# Altium PCB 键盘.PcbDoc (part 8 of 10)
Units mm, origin at the board's own origin, x right, y up, seen from the top; angles counter-clockwise.
Board outline 100 x 100 mm, 2 copper layers (Top Layer, Bottom Layer); 85 components, 82 nets, 333 pads, 92 vias.
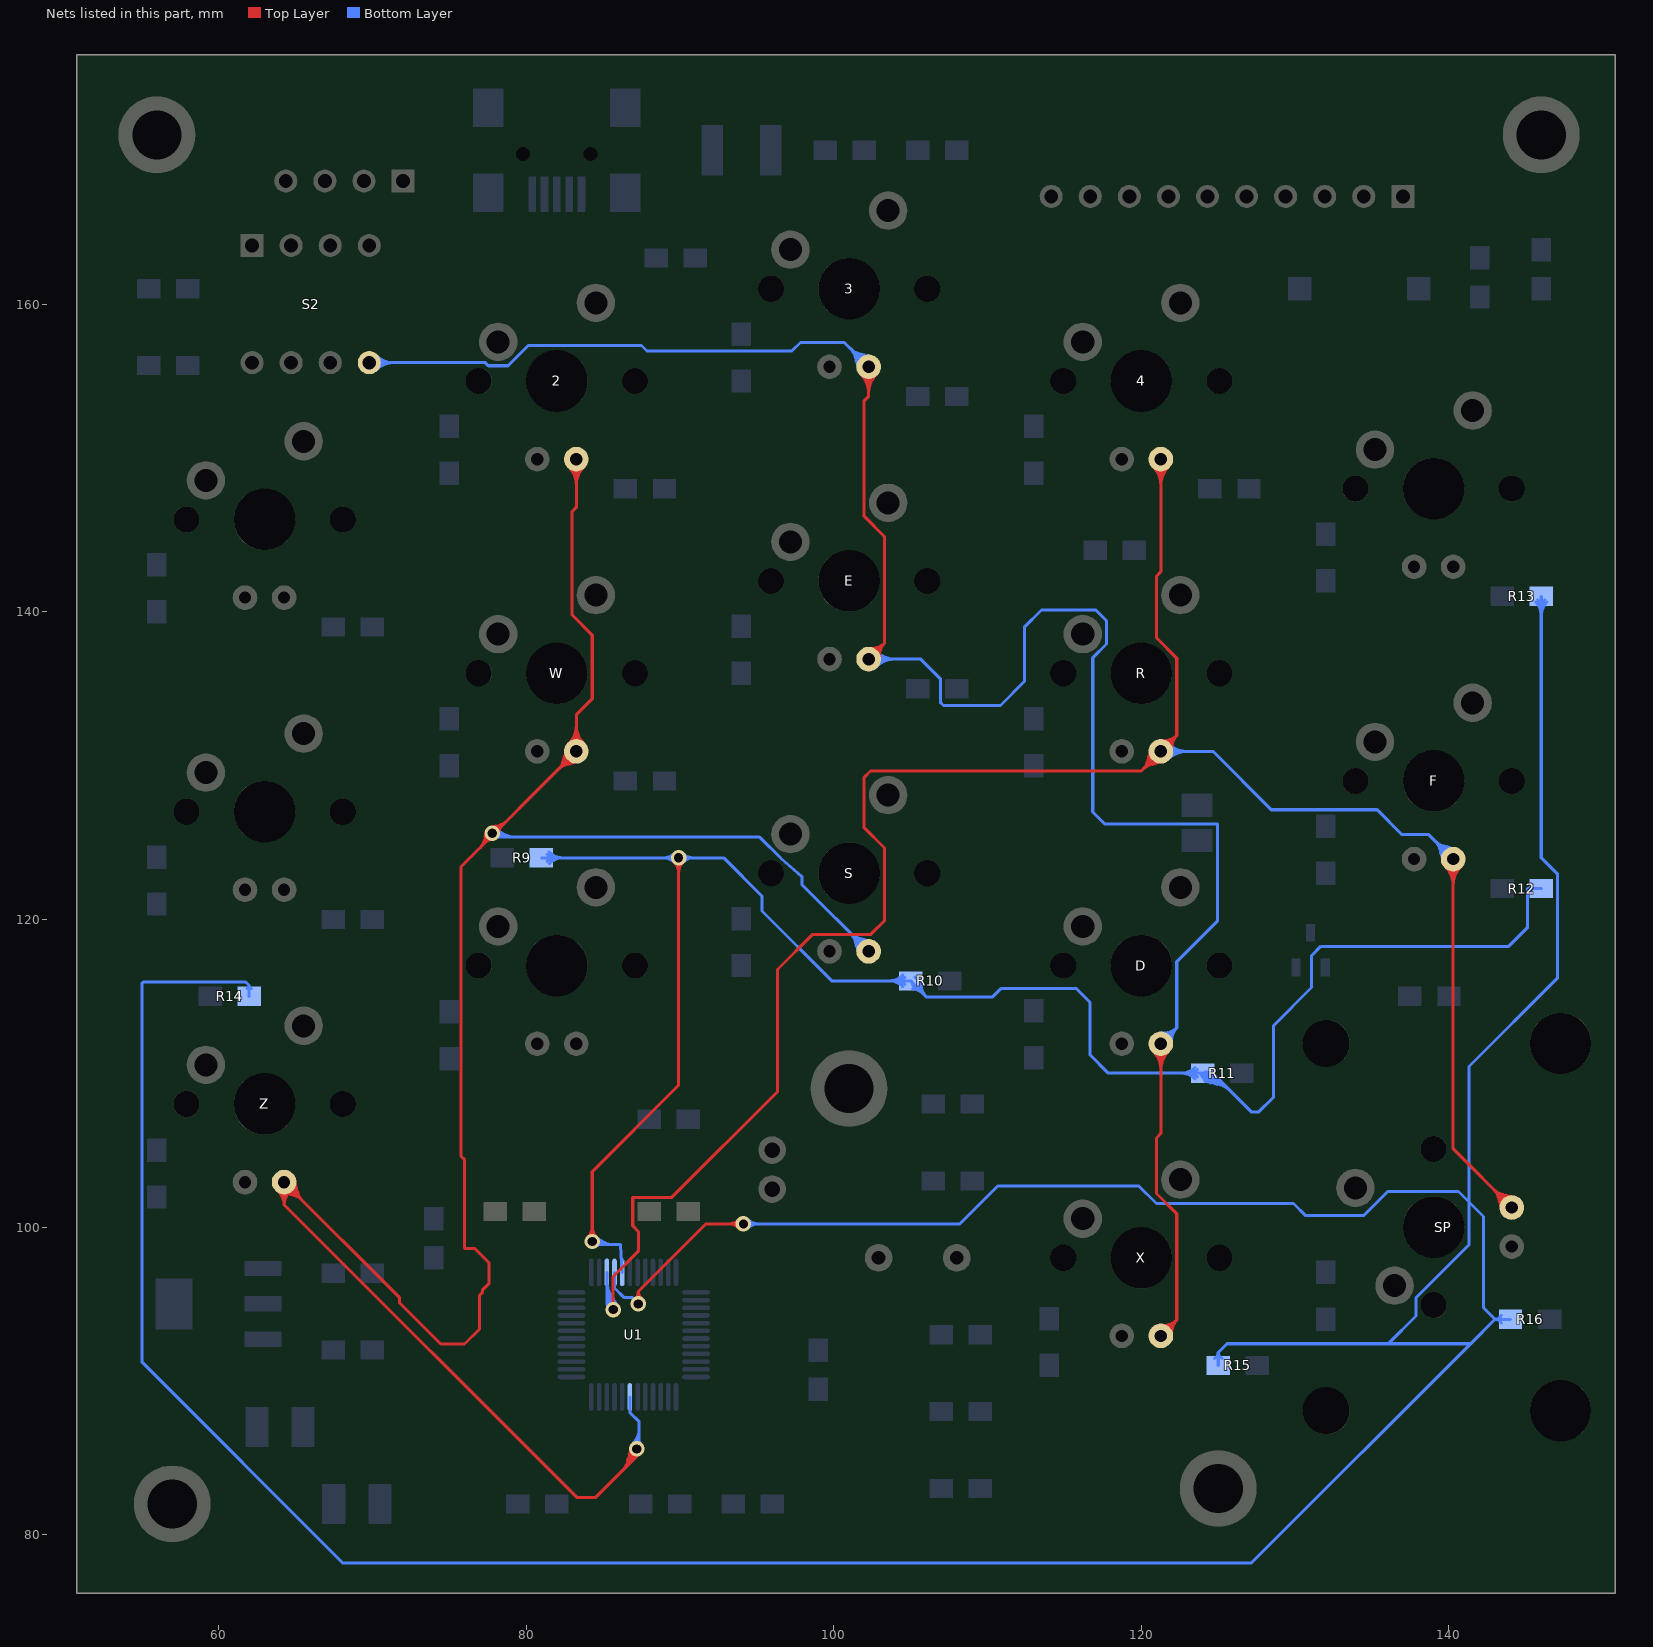
[diagram p8: the nets of this part, all layers, seen from the top]

## Via types
v1: diameter 1, hole 0.6, Top Layer to Bottom Layer, 92 vias

## Nets (pads, with @x,y where several pads share a name; then routed paths per layer and width w, separated by ;. In a path a pad name is that pad's centre, name@x,y a point inside that pad or via, vN(x,y) a via of type N, cw(c..) or ccw(c..) an arc to the next point about the centre after c; other vN are vias at no path point) (continued)
PB1: 2.K S.K U1.19 W.K Z.K | length 344.7
  Top Layer w0.2: 2.K@83.27,149.92 83.27,146.787 82.982,146.498 82.982,139.802 84.303,138.481 84.303,134.332 83.27,133.299 W.K@83.27,130.92 75.768,123.418 75.768,104.609 76.009,104.368 76.009,98.629 76.038,98.6 76.663,98.6 77.6,97.663 77.6,96.337 77.176,95.913 77.176,95.762 76.968,95.554 76.968,93.364 76.004,92.4 74.459,92.4 71.761,95.098 71.761,95.429 Z.K@64.27,102.92 64.27,101.44 ; v1@86.814,85.461 cw(c86.468,85.36) 86.721,85.103 cw(c86.974,84.846) v1@87.08,85.19 ; 86.931,85.109 cw(c87.123,84.871) v1@87.156,85.175 ; Z.K@63.826,102.379 cw(c63.055,101.44) 64.27,101.44 ; Z.K@63.826,102.379 cw(c63.055,101.44) 64.27,101.44 ; Z.K@63.826,102.379 cw(c63.055,101.44) 64.27,101.44 ; Z.K@63.953,102.534 cw(c63.402,101.863) 64.27,101.863 ; Z.K@63.953,102.534 cw(c63.402,101.863) 64.27,101.863 ; Z.K@63.953,102.534 cw(c63.402,101.863) 64.27,101.863 ; Z.K@63.976,102.86 ccw(c64.937,103.057) 64.683,102.109 ; Z.K@63.976,102.86 ccw(c64.937,103.057) 64.683,102.109 ; Z.K@63.976,102.86 ccw(c64.937,103.057) 64.683,102.109 ; Z.K@64.172,102.9 ccw(c65.291,103.129) 64.996,102.026 ; Z.K@64.172,102.9 ccw(c65.291,103.129) 64.996,102.026 ; Z.K@64.172,102.9 ccw(c65.291,103.129) 64.996,102.026 ; Z.K@64.267,102.82 cw(c64.245,102.102) 64.939,102.288 ; Z.K@64.267,102.82 cw(c64.245,102.102) 64.939,102.288 ; Z.K@64.267,102.82 cw(c64.245,102.102) 64.939,102.288 ; 64.27,101.44 cw(c65.485,101.44) Z.K@64.714,102.379 ; 64.27,101.44 cw(c65.485,101.44) Z.K@64.714,102.379 ; 64.27,101.44 cw(c65.485,101.44) Z.K@64.714,102.379 ; 64.27,101.44 83.288,82.422 84.531,82.422 87.198,85.089 v1(87.198,85.573) ; 64.27,101.863 cw(c65.138,101.863) Z.K@64.587,102.534 ; 64.27,101.863 cw(c65.138,101.863) Z.K@64.587,102.534 ; 64.27,101.863 cw(c65.138,101.863) Z.K@64.587,102.534 ; Z.K@64.27,102.22 cw(c64.27,100.53) 65.465,101.725 ; Z.K@64.27,102.22 cw(c64.27,100.53) 65.465,101.725 ; Z.K@64.27,102.22 cw(c64.27,100.53) 65.465,101.725 ; Z.K@64.27,102.42 cw(c64.27,101.213) 65.124,102.066 ; Z.K@64.27,102.42 cw(c64.27,101.213) 65.124,102.066 ; Z.K@64.27,102.42 cw(c64.27,101.213) 65.124,102.066 ; Z.K@64.29,103.018 cw(c64.061,101.899) 65.164,102.194 ; Z.K@64.29,103.018 cw(c64.061,101.899) 65.164,102.194 ; Z.K@64.29,103.018 cw(c64.061,101.899) 65.164,102.194 ; Z.K@64.33,103.214 cw(c64.133,102.253) 65.081,102.507 ; Z.K@64.33,103.214 cw(c64.133,102.253) 65.081,102.507 ; Z.K@64.33,103.214 cw(c64.133,102.253) 65.081,102.507 ; Z.K@64.37,102.923 ccw(c65.088,102.945) 64.902,102.251 ; Z.K@64.37,102.923 ccw(c65.088,102.945) 64.902,102.251 ; Z.K@64.37,102.923 ccw(c65.088,102.945) 64.902,102.251 ; Z.K@64.77,102.92 ccw(c65.977,102.92) 65.124,102.066 ; Z.K@64.77,102.92 ccw(c65.977,102.92) 65.124,102.066 ; Z.K@64.77,102.92 ccw(c65.977,102.92) 65.124,102.066 ; Z.K@64.97,102.92 ccw(c66.66,102.92) 65.465,101.725 ; Z.K@64.97,102.92 ccw(c66.66,102.92) 65.465,101.725 ; Z.K@64.97,102.92 ccw(c66.66,102.92) 65.465,101.725 ; 77.011,124.661 ccw(c76.072,125.6) v1@77.4,125.6 ; 77.011,124.661 ccw(c76.072,125.6) v1@77.4,125.6 ; 77.011,124.661 ccw(c76.072,125.6) v1@77.4,125.6 ; 77.241,125.007 cw(c78.071,124.785) v1(77.8,125.6) ; 77.241,125.007 cw(c78.071,124.785) v1(77.8,125.6) ; 77.241,125.007 cw(c78.071,124.785) v1(77.8,125.6) ; 77.337,125.366 cw(c77.931,125.207) v1@77.737,125.79 ; 77.337,125.366 cw(c77.931,125.207) v1@77.737,125.79 ; 77.337,125.366 cw(c77.931,125.207) v1@77.737,125.79 ; 77.353,125.003 ccw(c76.755,125.6) v1@77.6,125.6 ; 77.353,125.003 ccw(c76.755,125.6) v1@77.6,125.6 ; 77.353,125.003 ccw(c76.755,125.6) v1@77.6,125.6 ; 77.373,125.023 cw(c77.8,124.596) v1@77.8,125.2 ; 77.373,125.023 cw(c77.8,124.596) v1@77.8,125.2 ; 77.373,125.023 cw(c77.8,124.596) v1@77.8,125.2 ; v1@77.454,125.4 cw(c77.188,125.247) 77.484,125.168 ; v1@77.454,125.4 cw(c77.188,125.247) 77.484,125.168 ; v1@77.454,125.4 cw(c77.188,125.247) 77.484,125.168 ; 77.472,125.123 cw(c77.835,125.025) v1@77.812,125.4 ; 77.472,125.123 cw(c77.835,125.025) v1@77.812,125.4 ; 77.472,125.123 cw(c77.835,125.025) v1@77.812,125.4 ; v1@77.61,125.663 cw(c78.193,125.469) 78.034,126.063 ; v1@77.61,125.663 cw(c78.193,125.469) 78.034,126.063 ; v1@77.61,125.663 cw(c78.193,125.469) 78.034,126.063 ; v1(77.8,125.6) cw(c78.615,125.329) 78.393,126.159 ; v1(77.8,125.6) cw(c78.615,125.329) 78.393,126.159 ; v1(77.8,125.6) cw(c78.615,125.329) 78.393,126.159 ; v1@77.8,125.8 ccw(c77.8,126.645) 78.397,126.047 ; v1@77.8,125.8 ccw(c77.8,126.645) 78.397,126.047 ; v1@77.8,125.8 ccw(c77.8,126.645) 78.397,126.047 ; v1@77.8,126 ccw(c77.8,127.328) 78.739,126.389 ; v1@77.8,126 ccw(c77.8,127.328) 78.739,126.389 ; v1@77.8,126 ccw(c77.8,127.328) 78.739,126.389 ; v1@78,125.588 cw(c78.375,125.565) 78.277,125.928 ; v1@78,125.588 cw(c78.375,125.565) 78.277,125.928 ; v1@78,125.588 cw(c78.375,125.565) 78.277,125.928 ; v1@78,125.946 ccw(c78.153,126.212) 78.232,125.916 ; v1@78,125.946 ccw(c78.153,126.212) 78.232,125.916 ; v1@78,125.946 ccw(c78.153,126.212) 78.232,125.916 ; v1@78.2,125.6 cw(c78.804,125.6) 78.377,126.027 ; v1@78.2,125.6 cw(c78.804,125.6) 78.377,126.027 ; v1@78.2,125.6 cw(c78.804,125.6) 78.377,126.027 ; 82.075,129.725 cw(c83.27,128.53) W.K@83.27,130.22 ; 82.075,129.725 ccw(c80.88,130.92) W.K@82.57,130.92 ; 82.075,129.725 cw(c83.27,128.53) W.K@83.27,130.22 ; 82.075,129.725 ccw(c80.88,130.92) W.K@82.57,130.92 ; 82.075,129.725 cw(c83.27,128.53) W.K@83.27,130.22 ; 82.075,129.725 ccw(c80.88,130.92) W.K@82.57,130.92 ; 82.376,130.194 cw(c83.479,129.899) W.K@83.25,131.018 ; 82.376,130.194 cw(c83.479,129.899) W.K@83.25,131.018 ; 82.376,130.194 cw(c83.479,129.899) W.K@83.25,131.018 ; 82.416,130.066 cw(c83.27,129.213) W.K@83.27,130.42 ; 82.416,130.066 ccw(c81.563,130.92) W.K@82.77,130.92 ; 82.416,130.066 cw(c83.27,129.213) W.K@83.27,130.42 ; 82.416,130.066 ccw(c81.563,130.92) W.K@82.77,130.92 ; 82.416,130.066 cw(c83.27,129.213) W.K@83.27,130.42 ; 82.416,130.066 ccw(c81.563,130.92) W.K@82.77,130.92 ; 82.459,130.507 cw(c83.407,130.253) W.K@83.21,131.214 ; 82.459,130.507 cw(c83.407,130.253) W.K@83.21,131.214 ; 82.459,130.507 cw(c83.407,130.253) W.K@83.21,131.214 ; 82.544,130.026 ccw(c82.249,131.129) W.K@83.368,130.9 ; 82.544,130.026 ccw(c82.249,131.129) W.K@83.368,130.9 ; 82.544,130.026 ccw(c82.249,131.129) W.K@83.368,130.9 ; 82.601,130.288 cw(c83.295,130.102) W.K@83.273,130.82 ; 82.601,130.288 cw(c83.295,130.102) W.K@83.273,130.82 ; 82.601,130.288 cw(c83.295,130.102) W.K@83.273,130.82 ; 82.638,130.251 ccw(c82.452,130.945) W.K@83.17,130.923 ; 82.638,130.251 ccw(c82.452,130.945) W.K@83.17,130.923 ; 82.638,130.251 ccw(c82.452,130.945) W.K@83.17,130.923 ; W.K@82.775,131.415 ccw(c81.58,132.61) 83.27,132.61 ; W.K@82.775,131.415 ccw(c81.58,132.61) 83.27,132.61 ; W.K@82.775,131.415 ccw(c81.58,132.61) 83.27,132.61 ; 2.K@82.775,149.425 cw(c81.58,148.23) 83.27,148.23 ; 2.K@82.775,149.425 cw(c81.58,148.23) 83.27,148.23 ; 2.K@82.775,149.425 cw(c81.58,148.23) 83.27,148.23 ; 82.857,130.109 ccw(c82.603,131.057) W.K@83.564,130.86 ; 82.857,130.109 ccw(c82.603,131.057) W.K@83.564,130.86 ; 82.857,130.109 ccw(c82.603,131.057) W.K@83.564,130.86 ; W.K@82.916,131.274 ccw(c82.063,132.127) 83.27,132.127 ; W.K@82.916,131.274 ccw(c82.063,132.127) 83.27,132.127 ; W.K@82.916,131.274 ccw(c82.063,132.127) 83.27,132.127 ; 2.K@82.916,149.566 cw(c82.063,148.713) 83.27,148.713 ; 2.K@82.916,149.566 cw(c82.063,148.713) 83.27,148.713 ; 2.K@82.916,149.566 cw(c82.063,148.713) 83.27,148.713 ; 83.27,132.127 ccw(c84.477,132.127) W.K@83.624,131.274 ; 83.27,132.127 ccw(c84.477,132.127) W.K@83.624,131.274 ; 83.27,132.127 ccw(c84.477,132.127) W.K@83.624,131.274 ; 83.27,132.61 ccw(c84.96,132.61) W.K@83.765,131.415 ; 83.27,132.61 ccw(c84.96,132.61) W.K@83.765,131.415 ; 83.27,132.61 ccw(c84.96,132.61) W.K@83.765,131.415 ; 83.27,148.23 cw(c84.96,148.23) 2.K@83.765,149.425 ; 83.27,148.23 cw(c84.96,148.23) 2.K@83.765,149.425 ; 83.27,148.23 cw(c84.96,148.23) 2.K@83.765,149.425 ; 83.27,148.713 cw(c84.477,148.713) 2.K@83.624,149.566 ; 83.27,148.713 cw(c84.477,148.713) 2.K@83.624,149.566 ; 83.27,148.713 cw(c84.477,148.713) 2.K@83.624,149.566 ; 86.173,84.064 ccw(c84.665,85.573) v1@86.798,85.573 ; 86.173,84.064 ccw(c84.665,85.573) v1@86.798,85.573 ; 86.173,84.064 ccw(c84.665,85.573) v1@86.798,85.573 ; 86.515,84.406 ccw(c85.348,85.573) v1@86.998,85.573 ; 86.515,84.406 ccw(c85.348,85.573) v1@86.998,85.573 ; 86.515,84.406 ccw(c85.348,85.573) v1@86.998,85.573 ; 86.586,84.782 cw(c87.836,84.447) v1(87.198,85.573) ; 86.586,84.782 cw(c87.836,84.447) v1(87.198,85.573) ; 86.586,84.782 cw(c87.836,84.447) v1(87.198,85.573) ; 86.71,85.243 cw(c87.506,85.03) v1@87.1,85.747 ; 86.71,85.243 cw(c87.506,85.03) v1@87.1,85.747 ; 86.71,85.243 cw(c87.506,85.03) v1@87.1,85.747 ; 86.799,84.828 cw(c87.626,84.607) v1@87.279,85.39 ; 86.799,84.828 cw(c87.626,84.607) v1@87.279,85.39 ; 86.799,84.828 cw(c87.626,84.607) v1@87.279,85.39 ; v1@86.852,85.373 cw(c86.587,85.22) 86.882,85.14 ; v1@86.852,85.373 cw(c86.587,85.22) 86.882,85.14 ; v1@86.852,85.373 cw(c86.587,85.22) 86.882,85.14 ; 86.856,84.747 ccw(c86.031,85.573) v1(87.198,85.573) ; 86.856,84.747 ccw(c86.031,85.573) v1(87.198,85.573) ; 86.856,84.747 ccw(c86.031,85.573) v1(87.198,85.573) ; v1@86.952,85.257 cw(c86.794,85.055) 87.042,84.989 ; v1@86.952,85.257 cw(c86.794,85.055) 87.042,84.989 ; v1@86.952,85.257 cw(c86.794,85.055) 87.042,84.989 ; 87.042,84.989 cw(c87.289,84.923) v1@87.254,85.176 ; 87.042,84.989 cw(c87.289,84.923) v1@87.254,85.176 ; 87.042,84.989 cw(c87.289,84.923) v1@87.254,85.176
  Bottom Layer w0.2: U1.19@86.75,88.95 86.75,87.941 87.35,87.341 87.35,85.724 v1(87.198,85.573) ; S.K@102.27,117.92 97.943,122.247 97.943,122.77 96.548,123.99 95.189,125.349 78.051,125.349 v1(77.8,125.6) ; v1(77.8,125.6) ccw(c78.406,126.206) 78.406,125.349 ; v1(77.8,125.6) ccw(c78.406,126.206) 78.406,125.349 ; v1(77.8,125.6) ccw(c78.406,126.206) 78.406,125.349 ; v1@77.941,125.741 ccw(c78.889,126.689) 78.889,125.349 ; v1@77.941,125.741 ccw(c78.889,126.689) 78.889,125.349 ; v1@77.941,125.741 ccw(c78.889,126.689) 78.889,125.349 ; v1@78.083,125.883 ccw(c79.372,127.172) 79.372,125.349 ; v1@78.083,125.883 ccw(c79.372,127.172) 79.372,125.349 ; v1@78.083,125.883 ccw(c79.372,127.172) 79.372,125.349 ; v1@78.132,125.378 cw(c78.328,125.247) 78.445,125.45 ; v1@78.132,125.378 cw(c78.328,125.247) 78.445,125.45 ; v1@78.132,125.378 cw(c78.328,125.247) 78.445,125.45 ; v1@78.186,125.704 ccw(c78.482,125.783) 78.329,125.518 ; v1@78.186,125.704 ccw(c78.482,125.783) 78.329,125.518 ; v1@78.186,125.704 ccw(c78.482,125.783) 78.329,125.518 ; v1@86.915,85.855 ccw(c85.866,86.905) 87.35,86.905 ; v1@86.915,85.855 ccw(c85.866,86.905) 87.35,86.905 ; v1@86.915,85.855 ccw(c85.866,86.905) 87.35,86.905 ; v1@87.057,85.714 ccw(c86.349,86.422) 87.35,86.422 ; v1@87.057,85.714 ccw(c86.349,86.422) 87.35,86.422 ; v1@87.057,85.714 ccw(c86.349,86.422) 87.35,86.422 ; 87.35,86.172 ccw(c87.797,86.172) v1@87.481,85.855 ; 87.35,86.172 ccw(c87.797,86.172) v1@87.481,85.855 ; 87.35,86.172 ccw(c87.797,86.172) v1@87.481,85.855 ; 101.075,119.115 cw(c99.88,117.92) S.K@101.57,117.92 ; 101.075,119.115 ccw(c102.27,120.31) S.K@102.27,118.62 ; 101.075,119.115 cw(c99.88,117.92) S.K@101.57,117.92 ; 101.075,119.115 ccw(c102.27,120.31) S.K@102.27,118.62 ; 101.075,119.115 cw(c99.88,117.92) S.K@101.57,117.92 ; 101.075,119.115 ccw(c102.27,120.31) S.K@102.27,118.62 ; 101.376,118.646 ccw(c102.479,118.941) S.K@102.25,117.822 ; 101.376,118.646 ccw(c102.479,118.941) S.K@102.25,117.822 ; 101.376,118.646 ccw(c102.479,118.941) S.K@102.25,117.822 ; 101.416,118.774 cw(c100.563,117.92) S.K@101.77,117.92 ; 101.416,118.774 ccw(c102.27,119.627) S.K@102.27,118.42 ; 101.416,118.774 cw(c100.563,117.92) S.K@101.77,117.92 ; 101.416,118.774 ccw(c102.27,119.627) S.K@102.27,118.42 ; 101.416,118.774 cw(c100.563,117.92) S.K@101.77,117.92 ; 101.416,118.774 ccw(c102.27,119.627) S.K@102.27,118.42 ; 101.459,118.333 ccw(c102.407,118.587) S.K@102.21,117.626 ; 101.459,118.333 ccw(c102.407,118.587) S.K@102.21,117.626 ; 101.459,118.333 ccw(c102.407,118.587) S.K@102.21,117.626 ; 101.544,118.814 cw(c101.249,117.711) S.K@102.368,117.94 ; 101.544,118.814 cw(c101.249,117.711) S.K@102.368,117.94 ; 101.544,118.814 cw(c101.249,117.711) S.K@102.368,117.94 ; 101.857,118.731 cw(c101.603,117.783) S.K@102.564,117.98 ; 101.857,118.731 cw(c101.603,117.783) S.K@102.564,117.98 ; 101.857,118.731 cw(c101.603,117.783) S.K@102.564,117.98
PB2: 3.K D.K E.K S2.5 X.K | length 261.5
  Top Layer w0.2: E.K@102.27,136.92 103.302,137.952 ; 3.K@102.27,155.92 102.27,154.01 101.981,153.721 101.981,146.202 103.302,144.882 103.302,137.952 ; X.K@121.27,92.92 122.301,93.951 ; D.K@121.27,111.92 121.27,106.081 120.98,105.791 120.98,102.184 122.301,100.863 122.301,93.951 ; 3.K@101.775,155.425 cw(c100.58,154.23) 102.27,154.23 ; 3.K@101.775,155.425 cw(c100.58,154.23) 102.27,154.23 ; 3.K@101.775,155.425 cw(c100.58,154.23) 102.27,154.23 ; 3.K@101.916,155.566 cw(c101.063,154.713) 102.27,154.713 ; 3.K@101.916,155.566 cw(c101.063,154.713) 102.27,154.713 ; 3.K@101.916,155.566 cw(c101.063,154.713) 102.27,154.713 ; E.K@102.013,137.075 cw(c103.164,136.383) 102.96,137.71 ; E.K@102.013,137.075 cw(c103.164,136.383) 102.96,137.71 ; E.K@102.013,137.075 cw(c103.164,136.383) 102.96,137.71 ; 102.27,154.23 cw(c103.96,154.23) 3.K@102.765,155.425 ; 102.27,154.23 cw(c103.96,154.23) 3.K@102.765,155.425 ; 102.27,154.23 cw(c103.96,154.23) 3.K@102.765,155.425 ; 102.27,154.713 cw(c103.477,154.713) 3.K@102.624,155.566 ; 102.27,154.713 cw(c103.477,154.713) 3.K@102.624,155.566 ; 102.27,154.713 cw(c103.477,154.713) 3.K@102.624,155.566 ; E.K@102.325,137.417 ccw(c102.416,138.248) 103.007,137.657 ; E.K@102.325,137.417 ccw(c102.416,138.248) 103.007,137.657 ; E.K@102.325,137.417 ccw(c102.416,138.248) 103.007,137.657 ; E.K@102.346,137.616 ccw(c102.474,138.78) 103.302,137.952 ; E.K@102.346,137.616 ccw(c102.474,138.78) 103.302,137.952 ; E.K@102.346,137.616 ccw(c102.474,138.78) 103.302,137.952 ; E.K@102.424,136.663 ccw(c101.733,137.814) 103.06,137.61 ; E.K@102.424,136.663 ccw(c101.733,137.814) 103.06,137.61 ; E.K@102.424,136.663 ccw(c101.733,137.814) 103.06,137.61 ; E.K@102.767,136.975 cw(c103.598,137.066) 103.007,137.657 ; E.K@102.767,136.975 cw(c103.598,137.066) 103.007,137.657 ; E.K@102.767,136.975 cw(c103.598,137.066) 103.007,137.657 ; E.K@102.966,136.996 cw(c104.13,137.124) 103.302,137.952 ; E.K@102.966,136.996 cw(c104.13,137.124) 103.302,137.952 ; E.K@102.966,136.996 cw(c104.13,137.124) 103.302,137.952 ; D.K@120.775,111.425 cw(c119.58,110.23) 121.27,110.23 ; D.K@120.775,111.425 cw(c119.58,110.23) 121.27,110.23 ; D.K@120.775,111.425 cw(c119.58,110.23) 121.27,110.23 ; D.K@120.916,111.566 cw(c120.063,110.713) 121.27,110.713 ; D.K@120.916,111.566 cw(c120.063,110.713) 121.27,110.713 ; D.K@120.916,111.566 cw(c120.063,110.713) 121.27,110.713 ; X.K@121.013,93.075 cw(c122.166,92.378) 121.962,93.71 ; X.K@121.013,93.075 cw(c122.166,92.378) 121.962,93.71 ; X.K@121.013,93.075 cw(c122.166,92.378) 121.962,93.71 ; 121.27,110.23 cw(c122.96,110.23) D.K@121.765,111.425 ; 121.27,110.23 cw(c122.96,110.23) D.K@121.765,111.425 ; 121.27,110.23 cw(c122.96,110.23) D.K@121.765,111.425 ; 121.27,110.713 cw(c122.477,110.713) D.K@121.624,111.566 ; 121.27,110.713 cw(c122.477,110.713) D.K@121.624,111.566 ; 121.27,110.713 cw(c122.477,110.713) D.K@121.624,111.566 ; X.K@121.325,93.417 ccw(c121.416,94.246) 122.006,93.656 ; X.K@121.325,93.417 ccw(c121.416,94.246) 122.006,93.656 ; X.K@121.325,93.417 ccw(c121.416,94.246) 122.006,93.656 ; X.K@121.347,93.616 ccw(c121.475,94.777) 122.301,93.951 ; X.K@121.347,93.616 ccw(c121.475,94.777) 122.301,93.951 ; X.K@121.347,93.616 ccw(c121.475,94.777) 122.301,93.951 ; X.K@121.425,92.663 ccw(c120.728,93.816) 122.06,93.612 ; X.K@121.425,92.663 ccw(c120.728,93.816) 122.06,93.612 ; X.K@121.425,92.663 ccw(c120.728,93.816) 122.06,93.612 ; X.K@121.767,92.975 cw(c122.597,93.066) 122.006,93.656 ; X.K@121.767,92.975 cw(c122.597,93.066) 122.006,93.656 ; X.K@121.767,92.975 cw(c122.597,93.066) 122.006,93.656 ; X.K@121.966,92.997 cw(c123.127,93.125) 122.301,93.951 ; X.K@121.966,92.997 cw(c123.127,93.125) 122.301,93.951 ; X.K@121.966,92.997 cw(c123.127,93.125) 122.301,93.951
  Bottom Layer w0.2: S2.5@69.81,156.19 77.348,156.19 77.548,155.99 78.832,155.99 80.144,157.302 87.503,157.302 87.859,156.947 97.282,156.947 97.841,157.505 100.685,157.505 3.K@102.27,155.92 ; E.K@102.27,136.92 105.664,136.92 106.934,135.65 106.934,134.112 107.137,133.909 110.846,133.909 112.395,135.458 112.395,138.989 113.513,140.106 117.043,140.106 117.74,139.41 117.74,137.898 116.84,136.998 116.84,126.975 117.602,126.213 124.943,126.213 124.943,119.888 122.301,117.246 122.301,112.951 ; D.K@121.27,111.92 122.301,112.951 ; S2.5@70.128,155.872 cw(c70.896,155.104) 70.896,156.19 ; S2.5@70.128,155.872 cw(c70.896,155.104) 70.896,156.19 ; S2.5@70.128,155.872 cw(c70.896,155.104) 70.896,156.19 ; S2.5@70.128,156.508 ccw(c70.896,157.276) 70.896,156.19 ; S2.5@70.128,156.508 ccw(c70.896,157.276) 70.896,156.19 ; S2.5@70.128,156.508 ccw(c70.896,157.276) 70.896,156.19 ; S2.5@70.27,155.73 cw(c71.379,154.621) 71.379,156.19 ; S2.5@70.27,155.73 cw(c71.379,154.621) 71.379,156.19 ; S2.5@70.27,155.73 cw(c71.379,154.621) 71.379,156.19 ; S2.5@70.27,156.65 ccw(c71.379,157.759) 71.379,156.19 ; S2.5@70.27,156.65 ccw(c71.379,157.759) 71.379,156.19 ; S2.5@70.27,156.65 ccw(c71.379,157.759) 71.379,156.19 ; 101.075,157.115 cw(c99.88,155.92) 3.K@101.57,155.92 ; 101.075,157.115 ccw(c102.27,158.31) 3.K@102.27,156.62 ; 101.075,157.115 cw(c99.88,155.92) 3.K@101.57,155.92 ; 101.075,157.115 ccw(c102.27,158.31) 3.K@102.27,156.62 ; 101.075,157.115 cw(c99.88,155.92) 3.K@101.57,155.92 ; 101.075,157.115 ccw(c102.27,158.31) 3.K@102.27,156.62 ; 101.376,156.646 ccw(c102.479,156.941) 3.K@102.25,155.822 ; 101.376,156.646 ccw(c102.479,156.941) 3.K@102.25,155.822 ; 101.376,156.646 ccw(c102.479,156.941) 3.K@102.25,155.822 ; 101.416,156.774 cw(c100.563,155.92) 3.K@101.77,155.92 ; 101.416,156.774 ccw(c102.27,157.627) 3.K@102.27,156.42 ; 101.416,156.774 cw(c100.563,155.92) 3.K@101.77,155.92 ; 101.416,156.774 ccw(c102.27,157.627) 3.K@102.27,156.42 ; 101.416,156.774 cw(c100.563,155.92) 3.K@101.77,155.92 ; 101.416,156.774 ccw(c102.27,157.627) 3.K@102.27,156.42 ; 101.459,156.333 ccw(c102.407,156.587) 3.K@102.21,155.626 ; 101.459,156.333 ccw(c102.407,156.587) 3.K@102.21,155.626 ; 101.459,156.333 ccw(c102.407,156.587) 3.K@102.21,155.626 ; 101.544,156.814 cw(c101.249,155.711) 3.K@102.368,155.94 ; 101.544,156.814 cw(c101.249,155.711) 3.K@102.368,155.94 ; 101.544,156.814 cw(c101.249,155.711) 3.K@102.368,155.94 ; 101.857,156.731 cw(c101.603,155.783) 3.K@102.564,155.98 ; 101.857,156.731 cw(c101.603,155.783) 3.K@102.564,155.98 ; 101.857,156.731 cw(c101.603,155.783) 3.K@102.564,155.98 ; E.K@102.624,136.566 cw(c103.477,135.713) 103.477,136.92 ; E.K@102.624,136.566 cw(c103.477,135.713) 103.477,136.92 ; E.K@102.624,136.566 cw(c103.477,135.713) 103.477,136.92 ; E.K@102.624,137.274 ccw(c103.477,138.127) 103.477,136.92 ; E.K@102.624,137.274 ccw(c103.477,138.127) 103.477,136.92 ; E.K@102.624,137.274 ccw(c103.477,138.127) 103.477,136.92 ; E.K@102.765,136.425 cw(c103.96,135.23) 103.96,136.92 ; E.K@102.765,136.425 cw(c103.96,135.23) 103.96,136.92 ; E.K@102.765,136.425 cw(c103.96,135.23) 103.96,136.92 ; E.K@102.765,137.415 ccw(c103.96,138.61) 103.96,136.92 ; E.K@102.765,137.415 ccw(c103.96,138.61) 103.96,136.92 ; E.K@102.765,137.415 ccw(c103.96,138.61) 103.96,136.92 ; D.K@121.325,112.417 ccw(c121.416,113.247) 122.006,112.656 ; D.K@121.325,112.417 ccw(c121.416,113.247) 122.006,112.656 ; D.K@121.325,112.417 ccw(c121.416,113.247) 122.006,112.656 ; D.K@121.347,112.616 ccw(c121.475,113.777) 122.301,112.951 ; D.K@121.347,112.616 ccw(c121.475,113.777) 122.301,112.951 ; D.K@121.347,112.616 ccw(c121.475,113.777) 122.301,112.951 ; D.K@121.767,111.975 cw(c122.597,112.066) 122.006,112.656 ; D.K@121.767,111.975 cw(c122.597,112.066) 122.006,112.656 ; D.K@121.767,111.975 cw(c122.597,112.066) 122.006,112.656 ; D.K@121.966,111.997 cw(c123.127,112.125) 122.301,112.951 ; D.K@121.966,111.997 cw(c123.127,112.125) 122.301,112.951 ; D.K@121.966,111.997 cw(c123.127,112.125) 122.301,112.951
PB3: 4.K F.K R.K SP.K U1.39 | length 316.7
  Top Layer w0.2: v1(85.661,94.629) 85.661,96.783 87.303,98.425 87.303,99.71 86.938,100.075 86.938,101.93 89.482,101.93 96.342,108.79 96.342,116.738 98.628,119.024 102.413,119.024 103.3,119.912 103.3,124.64 101.981,125.959 101.981,129.235 102.387,129.642 119.992,129.642 R.K@121.27,130.92 122.301,131.951 ; 4.K@121.27,149.92 121.27,142.606 120.98,142.316 120.98,138.303 122.301,136.982 122.301,131.951 ; F.K@140.27,123.92 140.27,105.08 SP.K@144.08,101.27 ; 120.075,129.725 cw(c121.27,128.53) R.K@121.27,130.22 ; 120.075,129.725 ccw(c118.88,130.92) R.K@120.57,130.92 ; 120.075,129.725 cw(c121.27,128.53) R.K@121.27,130.22 ; 120.075,129.725 ccw(c118.88,130.92) R.K@120.57,130.92 ; 120.075,129.725 cw(c121.27,128.53) R.K@121.27,130.22 ; 120.075,129.725 ccw(c118.88,130.92) R.K@120.57,130.92 ; 120.376,130.194 cw(c121.479,129.899) R.K@121.25,131.018 ; 120.376,130.194 cw(c121.479,129.899) R.K@121.25,131.018 ; 120.376,130.194 cw(c121.479,129.899) R.K@121.25,131.018 ; 120.416,130.066 cw(c121.27,129.213) R.K@121.27,130.42 ; 120.416,130.066 ccw(c119.563,130.92) R.K@120.77,130.92 ; 120.416,130.066 cw(c121.27,129.213) R.K@121.27,130.42 ; 120.416,130.066 ccw(c119.563,130.92) R.K@120.77,130.92 ; 120.416,130.066 cw(c121.27,129.213) R.K@121.27,130.42 ; 120.416,130.066 ccw(c119.563,130.92) R.K@120.77,130.92 ; 120.459,130.507 cw(c121.407,130.253) R.K@121.21,131.214 ; 120.459,130.507 cw(c121.407,130.253) R.K@121.21,131.214 ; 120.459,130.507 cw(c121.407,130.253) R.K@121.21,131.214 ; 120.544,130.026 ccw(c120.249,131.129) R.K@121.368,130.9 ; 120.544,130.026 ccw(c120.249,131.129) R.K@121.368,130.9 ; 120.544,130.026 ccw(c120.249,131.129) R.K@121.368,130.9 ; 120.601,130.288 cw(c121.295,130.102) R.K@121.273,130.82 ; 120.601,130.288 cw(c121.295,130.102) R.K@121.273,130.82 ; 120.601,130.288 cw(c121.295,130.102) R.K@121.273,130.82 ; 120.638,130.251 ccw(c120.452,130.945) R.K@121.17,130.923 ; 120.638,130.251 ccw(c120.452,130.945) R.K@121.17,130.923 ; 120.638,130.251 ccw(c120.452,130.945) R.K@121.17,130.923 ; 4.K@120.775,149.425 cw(c119.58,148.23) 121.27,148.23 ; 4.K@120.775,149.425 cw(c119.58,148.23) 121.27,148.23 ; 4.K@120.775,149.425 cw(c119.58,148.23) 121.27,148.23 ; 120.857,130.109 ccw(c120.603,131.057) R.K@121.564,130.86 ; 120.857,130.109 ccw(c120.603,131.057) R.K@121.564,130.86 ; 120.857,130.109 ccw(c120.603,131.057) R.K@121.564,130.86 ; 4.K@120.916,149.566 cw(c120.063,148.713) 121.27,148.713 ; 4.K@120.916,149.566 cw(c120.063,148.713) 121.27,148.713 ; 4.K@120.916,149.566 cw(c120.063,148.713) 121.27,148.713 ; R.K@121.013,131.075 cw(c122.166,130.378) 121.962,131.71 ; R.K@121.013,131.075 cw(c122.166,130.378) 121.962,131.71 ; R.K@121.013,131.075 cw(c122.166,130.378) 121.962,131.71 ; 121.27,148.23 cw(c122.96,148.23) 4.K@121.765,149.425 ; 121.27,148.23 cw(c122.96,148.23) 4.K@121.765,149.425 ; 121.27,148.23 cw(c122.96,148.23) 4.K@121.765,149.425 ; 121.27,148.713 cw(c122.477,148.713) 4.K@121.624,149.566 ; 121.27,148.713 cw(c122.477,148.713) 4.K@121.624,149.566 ; 121.27,148.713 cw(c122.477,148.713) 4.K@121.624,149.566 ; R.K@121.325,131.417 ccw(c121.416,132.246) 122.006,131.656 ; R.K@121.325,131.417 ccw(c121.416,132.246) 122.006,131.656 ; R.K@121.325,131.417 ccw(c121.416,132.246) 122.006,131.656 ; R.K@121.347,131.616 ccw(c121.475,132.777) 122.301,131.951 ; R.K@121.347,131.616 ccw(c121.475,132.777) 122.301,131.951 ; R.K@121.347,131.616 ccw(c121.475,132.777) 122.301,131.951 ; R.K@121.425,130.663 ccw(c120.728,131.816) 122.06,131.612 ; R.K@121.425,130.663 ccw(c120.728,131.816) 122.06,131.612 ; R.K@121.425,130.663 ccw(c120.728,131.816) 122.06,131.612 ; R.K@121.767,130.975 cw(c122.597,131.066) 122.006,131.656 ; R.K@121.767,130.975 cw(c122.597,131.066) 122.006,131.656 ; R.K@121.767,130.975 cw(c122.597,131.066) 122.006,131.656 ; R.K@121.966,130.997 cw(c123.127,131.125) 122.301,131.951 ; R.K@121.966,130.997 cw(c123.127,131.125) 122.301,131.951 ; R.K@121.966,130.997 cw(c123.127,131.125) 122.301,131.951 ; F.K@139.775,123.425 cw(c138.58,122.23) 140.27,122.23 ; F.K@139.775,123.425 cw(c138.58,122.23) 140.27,122.23 ; F.K@139.775,123.425 cw(c138.58,122.23) 140.27,122.23 ; F.K@139.916,123.566 cw(c139.063,122.713) 140.27,122.713 ; F.K@139.916,123.566 cw(c139.063,122.713) 140.27,122.713 ; F.K@139.916,123.566 cw(c139.063,122.713) 140.27,122.713 ; 140.27,122.23 cw(c141.96,122.23) F.K@140.765,123.425 ; 140.27,122.23 cw(c141.96,122.23) F.K@140.765,123.425 ; 140.27,122.23 cw(c141.96,122.23) F.K@140.765,123.425 ; 140.27,122.713 cw(c141.477,122.713) F.K@140.624,123.566 ; 140.27,122.713 cw(c141.477,122.713) F.K@140.624,123.566 ; 140.27,122.713 cw(c141.477,122.713) F.K@140.624,123.566 ; 142.885,102.465 cw(c141.69,101.27) SP.K@143.38,101.27 ; 142.885,102.465 ccw(c144.08,103.66) SP.K@144.08,101.97 ; 142.885,102.465 cw(c141.69,101.27) SP.K@143.38,101.27 ; 142.885,102.465 ccw(c144.08,103.66) SP.K@144.08,101.97 ; 142.885,102.465 cw(c141.69,101.27) SP.K@143.38,101.27 ; 142.885,102.465 ccw(c144.08,103.66) SP.K@144.08,101.97 ; 143.186,101.996 ccw(c144.289,102.291) SP.K@144.06,101.172 ; 143.186,101.996 ccw(c144.289,102.291) SP.K@144.06,101.172 ; 143.186,101.996 ccw(c144.289,102.291) SP.K@144.06,101.172 ; 143.226,102.124 cw(c142.373,101.27) SP.K@143.58,101.27 ; 143.226,102.124 ccw(c144.08,102.977) SP.K@144.08,101.77 ; 143.226,102.124 cw(c142.373,101.27) SP.K@143.58,101.27 ; 143.226,102.124 ccw(c144.08,102.977) SP.K@144.08,101.77 ; 143.226,102.124 cw(c142.373,101.27) SP.K@143.58,101.27 ; 143.226,102.124 ccw(c144.08,102.977) SP.K@144.08,101.77 ; 143.269,101.683 ccw(c144.217,101.937) SP.K@144.02,100.976 ; 143.269,101.683 ccw(c144.217,101.937) SP.K@144.02,100.976 ; 143.269,101.683 ccw(c144.217,101.937) SP.K@144.02,100.976 ; 143.354,102.164 cw(c143.059,101.061) SP.K@144.178,101.29 ; 143.354,102.164 cw(c143.059,101.061) SP.K@144.178,101.29 ; 143.354,102.164 cw(c143.059,101.061) SP.K@144.178,101.29 ; 143.411,101.902 ccw(c144.105,102.088) SP.K@144.083,101.37 ; 143.411,101.902 ccw(c144.105,102.088) SP.K@144.083,101.37 ; 143.411,101.902 ccw(c144.105,102.088) SP.K@144.083,101.37 ; 143.448,101.939 cw(c143.262,101.245) SP.K@143.98,101.267 ; 143.448,101.939 cw(c143.262,101.245) SP.K@143.98,101.267 ; 143.448,101.939 cw(c143.262,101.245) SP.K@143.98,101.267 ; 143.667,102.081 cw(c143.413,101.133) SP.K@144.374,101.33 ; 143.667,102.081 cw(c143.413,101.133) SP.K@144.374,101.33 ; 143.667,102.081 cw(c143.413,101.133) SP.K@144.374,101.33
  Bottom Layer w0.2: U1.39@85.25,97.05 85.25,95.041 v1(85.661,94.629) ; R.K@121.27,130.92 124.655,130.92 128.448,127.127 135.331,127.127 136.949,125.51 138.68,125.51 F.K@140.27,123.92 ; 85.25,95.14 ccw(c86.172,95.14) v1@85.52,94.488 ; 85.25,95.14 ccw(c86.172,95.14) v1@85.52,94.488 ; 85.25,95.14 ccw(c86.172,95.14) v1@85.52,94.488 ; 85.25,95.623 ccw(c86.655,95.623) v1(85.661,94.629) ; 85.25,95.623 ccw(c86.655,95.623) v1(85.661,94.629) ; 85.25,95.623 ccw(c86.655,95.623) v1(85.661,94.629) ; 85.25,96.106 ccw(c87.138,96.106) v1@85.803,94.771 ; 85.25,96.106 ccw(c87.138,96.106) v1@85.803,94.771 ; 85.25,96.106 ccw(c87.138,96.106) v1@85.803,94.771 ; U1.39@85.25,96.588 ccw(c87.621,96.588) v1@85.944,94.912 ; U1.39@85.25,96.588 ccw(c87.621,96.588) v1@85.944,94.912 ; U1.39@85.25,96.588 ccw(c87.621,96.588) v1@85.944,94.912 ; 85.298,95.259 cw(c84.899,95.029) v1@85.307,94.815 ; 85.298,95.259 ccw(c85.697,95.49) v1@85.678,95.029 ; 85.298,95.259 cw(c84.899,95.029) v1@85.307,94.815 ; 85.298,95.259 ccw(c85.697,95.49) v1@85.678,95.029 ; 85.298,95.259 cw(c84.899,95.029) v1@85.307,94.815 ; 85.298,95.259 ccw(c85.697,95.49) v1@85.678,95.029 ; v1@85.337,94.863 ccw(c84.845,95.217) 85.37,95.52 ; v1@85.337,94.863 ccw(c84.845,95.217) 85.37,95.52 ; v1@85.337,94.863 ccw(c84.845,95.217) 85.37,95.52 ; v1@85.43,94.956 ccw(c85.193,95.289) 85.532,95.519 ; v1@85.43,94.956 ccw(c85.193,95.289) 85.532,95.519 ; v1@85.43,94.956 ccw(c85.193,95.289) 85.532,95.519 ; v1@85.499,94.746 ccw(c85.121,95.019) 85.525,95.253 ; v1@85.499,94.746 ccw(c85.121,95.019) 85.525,95.253 ; v1@85.499,94.746 ccw(c85.121,95.019) 85.525,95.253 ; v1@85.546,94.792 ccw(c85.311,95.123) 85.647,95.351 ; v1@85.546,94.792 ccw(c85.311,95.123) 85.647,95.351 ; v1@85.546,94.792 ccw(c85.311,95.123) 85.647,95.351 ; 85.579,95.158 ccw(c85.844,95.311) v1@85.765,95.016 ; 85.579,95.158 ccw(c85.844,95.311) v1@85.765,95.016 ; 85.579,95.158 ccw(c85.844,95.311) v1@85.765,95.016 ; v1(85.661,94.629) ccw(c85.43,94.956) 85.761,95.182 ; v1(85.661,94.629) ccw(c85.43,94.956) 85.761,95.182 ; v1(85.661,94.629) ccw(c85.43,94.956) 85.761,95.182 ; R.K@121.624,130.566 cw(c122.477,129.713) 122.477,130.92 ; R.K@121.624,130.566 cw(c122.477,129.713) 122.477,130.92 ; R.K@121.624,130.566 cw(c122.477,129.713) 122.477,130.92 ; R.K@121.624,131.274 ccw(c122.477,132.127) 122.477,130.92 ; R.K@121.624,131.274 ccw(c122.477,132.127) 122.477,130.92 ; R.K@121.624,131.274 ccw(c122.477,132.127) 122.477,130.92 ; R.K@121.765,130.425 cw(c122.96,129.23) 122.96,130.92 ; R.K@121.765,130.425 cw(c122.96,129.23) 122.96,130.92 ; R.K@121.765,130.425 cw(c122.96,129.23) 122.96,130.92 ; R.K@121.765,131.415 ccw(c122.96,132.61) 122.96,130.92 ; R.K@121.765,131.415 ccw(c122.96,132.61) 122.96,130.92 ; R.K@121.765,131.415 ccw(c122.96,132.61) 122.96,130.92 ; 139.075,125.115 cw(c137.88,123.92) F.K@139.57,123.92 ; 139.075,125.115 ccw(c140.27,126.31) F.K@140.27,124.62 ; 139.075,125.115 cw(c137.88,123.92) F.K@139.57,123.92 ; 139.075,125.115 ccw(c140.27,126.31) F.K@140.27,124.62 ; 139.075,125.115 cw(c137.88,123.92) F.K@139.57,123.92 ; 139.075,125.115 ccw(c140.27,126.31) F.K@140.27,124.62 ; 139.376,124.646 ccw(c140.479,124.941) F.K@140.25,123.822 ; 139.376,124.646 ccw(c140.479,124.941) F.K@140.25,123.822 ; 139.376,124.646 ccw(c140.479,124.941) F.K@140.25,123.822 ; 139.416,124.774 cw(c138.563,123.92) F.K@139.77,123.92 ; 139.416,124.774 ccw(c140.27,125.627) F.K@140.27,124.42 ; 139.416,124.774 cw(c138.563,123.92) F.K@139.77,123.92 ; 139.416,124.774 ccw(c140.27,125.627) F.K@140.27,124.42 ; 139.416,124.774 cw(c138.563,123.92) F.K@139.77,123.92 ; 139.416,124.774 ccw(c140.27,125.627) F.K@140.27,124.42 ; 139.459,124.333 ccw(c140.407,124.587) F.K@140.21,123.626 ; 139.459,124.333 ccw(c140.407,124.587) F.K@140.21,123.626 ; 139.459,124.333 ccw(c140.407,124.587) F.K@140.21,123.626 ; 139.544,124.814 cw(c139.249,123.711) F.K@140.368,123.94 ; 139.544,124.814 cw(c139.249,123.711) F.K@140.368,123.94 ; 139.544,124.814 cw(c139.249,123.711) F.K@140.368,123.94 ; 139.857,124.731 cw(c139.603,123.783) F.K@140.564,123.98 ; 139.857,124.731 cw(c139.603,123.783) F.K@140.564,123.98 ; 139.857,124.731 cw(c139.603,123.783) F.K@140.564,123.98
PB4: R13.1 R14.1 R15.1 R16.1 U1.40 | length 304.6
  Top Layer w0.2: v1(87.3,95) 87.3,95.806 ; v1(94.132,100.203) 91.697,100.203 87.3,95.806 ; v1@87.058,95.318 ccw(c86.688,95.806) 87.3,95.806 ; v1@87.058,95.318 ccw(c86.688,95.806) 87.3,95.806 ; v1@87.058,95.318 ccw(c86.688,95.806) 87.3,95.806 ; 87.3,95.806 ccw(c87.912,95.806) v1@87.542,95.318 ; 87.3,95.806 ccw(c87.912,95.806) v1@87.542,95.318 ; 87.3,95.806 ccw(c87.912,95.806) v1@87.542,95.318 ; 93.167,100.203 cw(c93.167,99.237) v1@93.85,99.92 ; 93.167,100.203 ccw(c93.167,101.169) v1@93.85,100.486 ; 93.167,100.203 cw(c93.167,99.237) v1@93.85,99.92 ; 93.167,100.203 ccw(c93.167,101.169) v1@93.85,100.486 ; 93.167,100.203 cw(c93.167,99.237) v1@93.85,99.92 ; 93.167,100.203 ccw(c93.167,101.169) v1@93.85,100.486
  Bottom Layer w0.2: R14.1@62,115 62,115.698 ; U1.40@85.75,97.05 85.75,96.038 86.36,95.428 86.872,95.428 v1(87.3,95) ; v1(94.132,100.203) 108.208,100.203 110.675,102.671 119.833,102.671 120.98,101.524 129.896,101.524 130.683,100.736 134.442,100.736 136.017,102.311 140.614,102.311 141.3,101.625 ; R15.1@125,91 125,91.846 ; R16.1@144,94 142.997,94 ; R13.1@146,141 146,124.002 147.066,122.936 147.066,116.205 141.3,110.439 141.3,101.625 ; R14.1@61.854,115.504 ccw(c61.798,115.698) 62,115.698 ; R14.1@61.854,115.504 ccw(c61.798,115.698) 62,115.698 ; R14.1@61.854,115.504 ccw(c61.798,115.698) 62,115.698 ; 62,115.698 ccw(c62.202,115.698) R14.1@62.146,115.504 ; 62,115.698 ccw(c62.202,115.698) R14.1@62.146,115.504 ; 62,115.698 ccw(c62.202,115.698) R14.1@62.146,115.504 ; 62,115.698 61.773,115.926 55.118,115.926 55.042,115.849 55.042,91.2 68.086,78.156 127.152,78.156 141.408,92.412 ; v1@94.415,99.92 cw(c95.098,99.237) 95.098,100.203 ; v1@94.415,99.92 cw(c95.098,99.237) 95.098,100.203 ; v1@94.415,99.92 cw(c95.098,99.237) 95.098,100.203 ; v1@94.415,100.486 ccw(c95.098,101.169) 95.098,100.203 ; v1@94.415,100.486 ccw(c95.098,101.169) 95.098,100.203 ; v1@94.415,100.486 ccw(c95.098,101.169) 95.098,100.203 ; R15.1@124.767,91.47 ccw(c124.58,91.846) 125,91.846 ; R15.1@124.767,91.47 ccw(c124.58,91.846) 125,91.846 ; R15.1@124.767,91.47 ccw(c124.58,91.846) 125,91.846 ; 125,91.846 ccw(c125.42,91.846) R15.1@125.233,91.47 ; 125,91.846 ccw(c125.42,91.846) R15.1@125.233,91.47 ; 125,91.846 ccw(c125.42,91.846) R15.1@125.233,91.47 ; 125,91.846 125.565,92.412 136.049,92.412 ; 136.049,92.412 141.408,92.412 ; 136.049,92.412 137.85,94.213 137.85,95.396 141.3,98.847 141.3,101.625 ; 141.3,101.625 142.24,100.686 142.24,94.757 142.997,94 ; 141.408,92.412 142.997,94 ; 142.997,94 cw(c142.997,93.548) R16.1@143.398,93.757 ; 142.997,94 ccw(c142.997,94.452) R16.1@143.398,94.243 ; 142.997,94 cw(c142.997,93.548) R16.1@143.398,93.757 ; 142.997,94 ccw(c142.997,94.452) R16.1@143.398,94.243 ; 142.997,94 cw(c142.997,93.548) R16.1@143.398,93.757 ; 142.997,94 ccw(c142.997,94.452) R16.1@143.398,94.243 ; R13.1@145.629,140.629 cw(c144.733,139.733) 146,139.733 ; R13.1@145.629,140.629 cw(c144.733,139.733) 146,139.733 ; R13.1@145.629,140.629 cw(c144.733,139.733) 146,139.733 ; R13.1@145.77,140.77 cw(c145.215,140.215) 146,140.215 ; R13.1@145.77,140.77 cw(c145.215,140.215) 146,140.215 ; R13.1@145.77,140.77 cw(c145.215,140.215) 146,140.215 ; 146,139.733 cw(c147.267,139.733) R13.1@146.371,140.629 ; 146,139.733 cw(c147.267,139.733) R13.1@146.371,140.629 ; 146,139.733 cw(c147.267,139.733) R13.1@146.371,140.629 ; 146,140.215 cw(c146.785,140.215) R13.1@146.23,140.77 ; 146,140.215 cw(c146.785,140.215) R13.1@146.23,140.77 ; 146,140.215 cw(c146.785,140.215) R13.1@146.23,140.77
PB5: R9.1 R10.1 R11.1 R12.1 U1.41 | length 222.8
  Top Layer w0.2: v1(84.303,99.06) 84.303,103.597 89.916,109.21 v1(89.916,124) ; v1@84.02,99.343 ccw(c83.337,100.026) 84.303,100.026 ; v1@84.02,99.343 ccw(c83.337,100.026) 84.303,100.026 ; v1@84.02,99.343 ccw(c83.337,100.026) 84.303,100.026 ; 84.303,100.026 ccw(c85.268,100.026) v1@84.585,99.343 ; 84.303,100.026 ccw(c85.268,100.026) v1@84.585,99.343 ; 84.303,100.026 ccw(c85.268,100.026) v1@84.585,99.343 ; v1@89.633,123.717 cw(c88.95,123.034) 89.916,123.034 ; v1@89.633,123.717 cw(c88.95,123.034) 89.916,123.034 ; v1@89.633,123.717 cw(c88.95,123.034) 89.916,123.034 ; 89.916,123.034 cw(c90.882,123.034) v1@90.199,123.717 ; 89.916,123.034 cw(c90.882,123.034) v1@90.199,123.717 ; 89.916,123.034 cw(c90.882,123.034) v1@90.199,123.717
  Bottom Layer w0.2: R9.1@81,124 v1(89.916,124) 92.845,124 95.335,121.51 95.335,120.54 99.875,116 R10.1@105,116 105,115.976 106.016,114.96 ; U1.41@86.25,97.05 86.138,98.85 84.512,98.85 v1(84.303,99.06) ; R11.1@124.251,109.696 cw(c124.385,109.338) R11.1@124.668,109.595 ; R11.1@124.321,109.508 cw(c124.496,109.041) 124.866,109.376 cw(c125.456,109.912) R11.1@124.661,109.965 ; R12.1@146,122 145.11,122 ; R9.1@81.367,123.77 cw(c81.922,123.215) 81.922,124 ; R9.1@81.367,123.77 cw(c81.922,123.215) 81.922,124 ; R9.1@81.367,123.77 cw(c81.922,123.215) 81.922,124 ; R9.1@81.367,124.23 ccw(c81.922,124.785) 81.922,124 ; R9.1@81.367,124.23 ccw(c81.922,124.785) 81.922,124 ; R9.1@81.367,124.23 ccw(c81.922,124.785) 81.922,124 ; R9.1@81.508,123.629 cw(c82.404,122.733) 82.404,124 ; R9.1@81.508,123.629 cw(c82.404,122.733) 82.404,124 ; R9.1@81.508,123.629 cw(c82.404,122.733) 82.404,124 ; R9.1@81.508,124.371 ccw(c82.404,125.267) 82.404,124 ; R9.1@81.508,124.371 ccw(c82.404,125.267) 82.404,124 ; R9.1@81.508,124.371 ccw(c82.404,125.267) 82.404,124 ; v1(84.303,99.06) ccw(c84.809,99.566) 84.809,98.85 ; v1(84.303,99.06) ccw(c84.809,99.566) 84.809,98.85 ; v1(84.303,99.06) ccw(c84.809,99.566) 84.809,98.85 ; v1@84.444,99.201 ccw(c85.292,100.049) 85.292,98.85 ; v1@84.444,99.201 ccw(c85.292,100.049) 85.292,98.85 ; v1@84.444,99.201 ccw(c85.292,100.049) 85.292,98.85 ; v1@84.585,98.777 cw(c84.762,98.601) 84.762,98.85 ; v1@84.585,98.777 cw(c84.762,98.601) 84.762,98.85 ; v1@84.585,98.777 cw(c84.762,98.601) 84.762,98.85 ; v1@84.585,99.343 ccw(c85.775,100.532) 85.775,98.85 ; v1@84.585,99.343 ccw(c85.775,100.532) 85.775,98.85 ; v1@84.585,99.343 ccw(c85.775,100.532) 85.775,98.85 ; v1@84.689,99.164 ccw(c84.985,99.243) 84.832,98.978 ; v1@84.689,99.164 ccw(c84.985,99.243) 84.832,98.978 ; v1@84.689,99.164 ccw(c84.985,99.243) 84.832,98.978 ; 86.189,98.03 ccw(c86.468,98.047) U1.41@86.283,97.837 ; 86.189,98.03 ccw(c86.468,98.047) U1.41@86.283,97.837 ; 86.189,98.03 ccw(c86.468,98.047) U1.41@86.283,97.837 ; 88.95,124 cw(c88.95,123.034) v1@89.633,123.717 ; 88.95,124 ccw(c88.95,124.966) v1@89.633,124.283 ; 88.95,124 cw(c88.95,123.034) v1@89.633,123.717 ; 88.95,124 ccw(c88.95,124.966) v1@89.633,124.283 ; 88.95,124 cw(c88.95,123.034) v1@89.633,123.717 ; 88.95,124 ccw(c88.95,124.966) v1@89.633,124.283 ; v1@90.199,123.717 cw(c90.882,123.034) 90.882,124 ; v1@90.199,123.717 cw(c90.882,123.034) 90.882,124 ; v1@90.199,123.717 cw(c90.882,123.034) 90.882,124 ; v1@90.199,124.283 ccw(c90.882,124.966) 90.882,124 ; v1@90.199,124.283 ccw(c90.882,124.966) 90.882,124 ; v1@90.199,124.283 ccw(c90.882,124.966) 90.882,124 ; 103.596,116 cw(c103.596,114.733) R10.1@104.492,115.629 ; 103.596,116 ccw(c103.596,117.267) R10.1@104.492,116.371 ; 103.596,116 cw(c103.596,114.733) R10.1@104.492,115.629 ; 103.596,116 ccw(c103.596,117.267) R10.1@104.492,116.371 ; 103.596,116 cw(c103.596,114.733) R10.1@104.492,115.629 ; 103.596,116 ccw(c103.596,117.267) R10.1@104.492,116.371 ; 104.078,116 cw(c104.078,115.215) R10.1@104.633,115.77 ; 104.078,116 ccw(c104.078,116.785) R10.1@104.633,116.23 ; 104.078,116 cw(c104.078,115.215) R10.1@104.633,115.77 ; 104.078,116 ccw(c104.078,116.785) R10.1@104.633,116.23 ; 104.078,116 cw(c104.078,115.215) R10.1@104.633,115.77 ; 104.078,116 ccw(c104.078,116.785) R10.1@104.633,116.23 ; R10.1@105.062,115.994 ccw(c105.789,116.055) 105.6,115.351 ; R10.1@105.062,115.994 ccw(c105.789,116.055) 105.6,115.351 ; R10.1@105.062,115.994 ccw(c105.789,116.055) 105.6,115.351 ; R10.1@105.137,115.475 cw(c105.137,114.595) 105.759,115.217 ; R10.1@105.137,115.475 cw(c105.137,114.595) 105.759,115.217 ; R10.1@105.137,115.475 cw(c105.137,114.595) 105.759,115.217 ; R10.1@105.278,116.236 cw(c104.799,115.433) R10.1@105.721,115.589 ; R10.1@105.278,116.236 cw(c104.799,115.433) R10.1@105.721,115.589 ; R10.1@105.278,116.236 cw(c104.799,115.433) R10.1@105.721,115.589 ; R10.1@105.461,115.969 ccw(c106.341,115.886) 105.716,115.261 ; R10.1@105.461,115.969 ccw(c106.341,115.886) 105.716,115.261 ; R10.1@105.461,115.969 ccw(c106.341,115.886) 105.716,115.261 ; R10.1@105.66,115.95 ccw(c106.889,115.834) 106.016,114.96 ; R10.1@105.66,115.95 ccw(c106.889,115.834) 106.016,114.96 ; R10.1@105.66,115.95 ccw(c106.889,115.834) 106.016,114.96 ; 106.016,114.96 110.338,114.96 110.896,115.519 115.748,115.519 116.662,114.605 116.662,111.194 117.856,110 R11.1@124,110 124.645,110 127.178,107.467 127.61,107.467 128.6,108.458 128.6,113.106 131.064,115.57 131.064,117.64 131.674,118.25 143.879,118.25 145.11,119.482 145.11,122 ; 122.596,110 cw(c122.596,108.733) R11.1@123.492,109.629 ; 122.596,110 ccw(c122.596,111.267) R11.1@123.492,110.371 ; 122.596,110 cw(c122.596,108.733) R11.1@123.492,109.629 ; 122.596,110 ccw(c122.596,111.267) R11.1@123.492,110.371 ; 122.596,110 cw(c122.596,108.733) R11.1@123.492,109.629 ; 122.596,110 ccw(c122.596,111.267) R11.1@123.492,110.371 ; 123.078,110 cw(c123.078,109.215) R11.1@123.633,109.77 ; 123.078,110 ccw(c123.078,110.785) R11.1@123.633,110.23 ; 123.078,110 cw(c123.078,109.215) R11.1@123.633,109.77 ; 123.078,110 ccw(c123.078,110.785) R11.1@123.633,110.23 ; 123.078,110 cw(c123.078,109.215) R11.1@123.633,109.77 ; 123.078,110 ccw(c123.078,110.785) R11.1@123.633,110.23 ; R11.1@123.892,109.874 ccw(c124.753,110.317) R11.1@124.514,109.379 ; R11.1@123.892,109.874 ccw(c124.753,110.317) R11.1@124.514,109.379 ; R11.1@123.892,109.874 ccw(c124.753,110.317) R11.1@124.514,109.379 ; R11.1@124.07,109.966 ccw(c125.28,110.588) 124.945,109.27 ; R11.1@124.07,109.966 ccw(c125.28,110.588) 124.945,109.27 ; R11.1@124.07,109.966 ccw(c125.28,110.588) 124.945,109.27 ; R11.1@124.137,109.475 cw(c124.137,106.981) 125.901,108.744 ; R11.1@124.137,109.475 cw(c124.137,106.981) 125.901,108.744 ; R11.1@124.137,109.475 cw(c124.137,106.981) 125.901,108.744 ; R11.1@124.137,109.675 cw(c124.137,107.663) 125.559,109.086 ; R11.1@124.137,109.675 cw(c124.137,107.663) 125.559,109.086 ; R11.1@124.137,109.675 cw(c124.137,107.663) 125.559,109.086 ; R11.1@124.137,109.875 cw(c124.137,108.346) 125.218,109.427 ; R11.1@124.137,109.875 cw(c124.137,108.346) 125.218,109.427 ; R11.1@124.137,109.875 cw(c124.137,108.346) 125.218,109.427 ; R11.1@124.137,110.075 cw(c124.137,109.029) 124.877,109.769 ; R11.1@124.137,110.075 cw(c124.137,109.029) 124.877,109.769 ; R11.1@124.137,110.075 cw(c124.137,109.029) 124.877,109.769 ; R11.1@124.248,110.057 ccw(c125.807,110.859) 125.375,109.16 ; R11.1@124.248,110.057 ccw(c125.807,110.859) 125.375,109.16 ; R11.1@124.248,110.057 ccw(c125.807,110.859) 125.375,109.16 ; R11.1@124.253,110.046 ccw(c125.149,110.401) 124.899,109.471 ; R11.1@124.253,110.046 ccw(c125.149,110.401) 124.899,109.471 ; R11.1@124.253,110.046 ccw(c125.149,110.401) 124.899,109.471 ; R11.1@124.456,110.062 ccw(c124.915,110.151) 124.794,109.699 ; R11.1@124.456,110.062 ccw(c124.915,110.151) 124.794,109.699 ; R11.1@124.456,110.062 ccw(c124.915,110.151) 124.794,109.699 ; 145.11,122 cw(c145.11,121.723) R12.1@145.37,121.819 ; 145.11,122 ccw(c145.11,122.277) R12.1@145.37,122.181 ; 145.11,122 cw(c145.11,121.723) R12.1@145.37,121.819 ; 145.11,122 ccw(c145.11,122.277) R12.1@145.37,122.181 ; 145.11,122 cw(c145.11,121.723) R12.1@145.37,121.819 ; 145.11,122 ccw(c145.11,122.277) R12.1@145.37,122.181